# KiCad board jorian.kicad_pcb (continued)
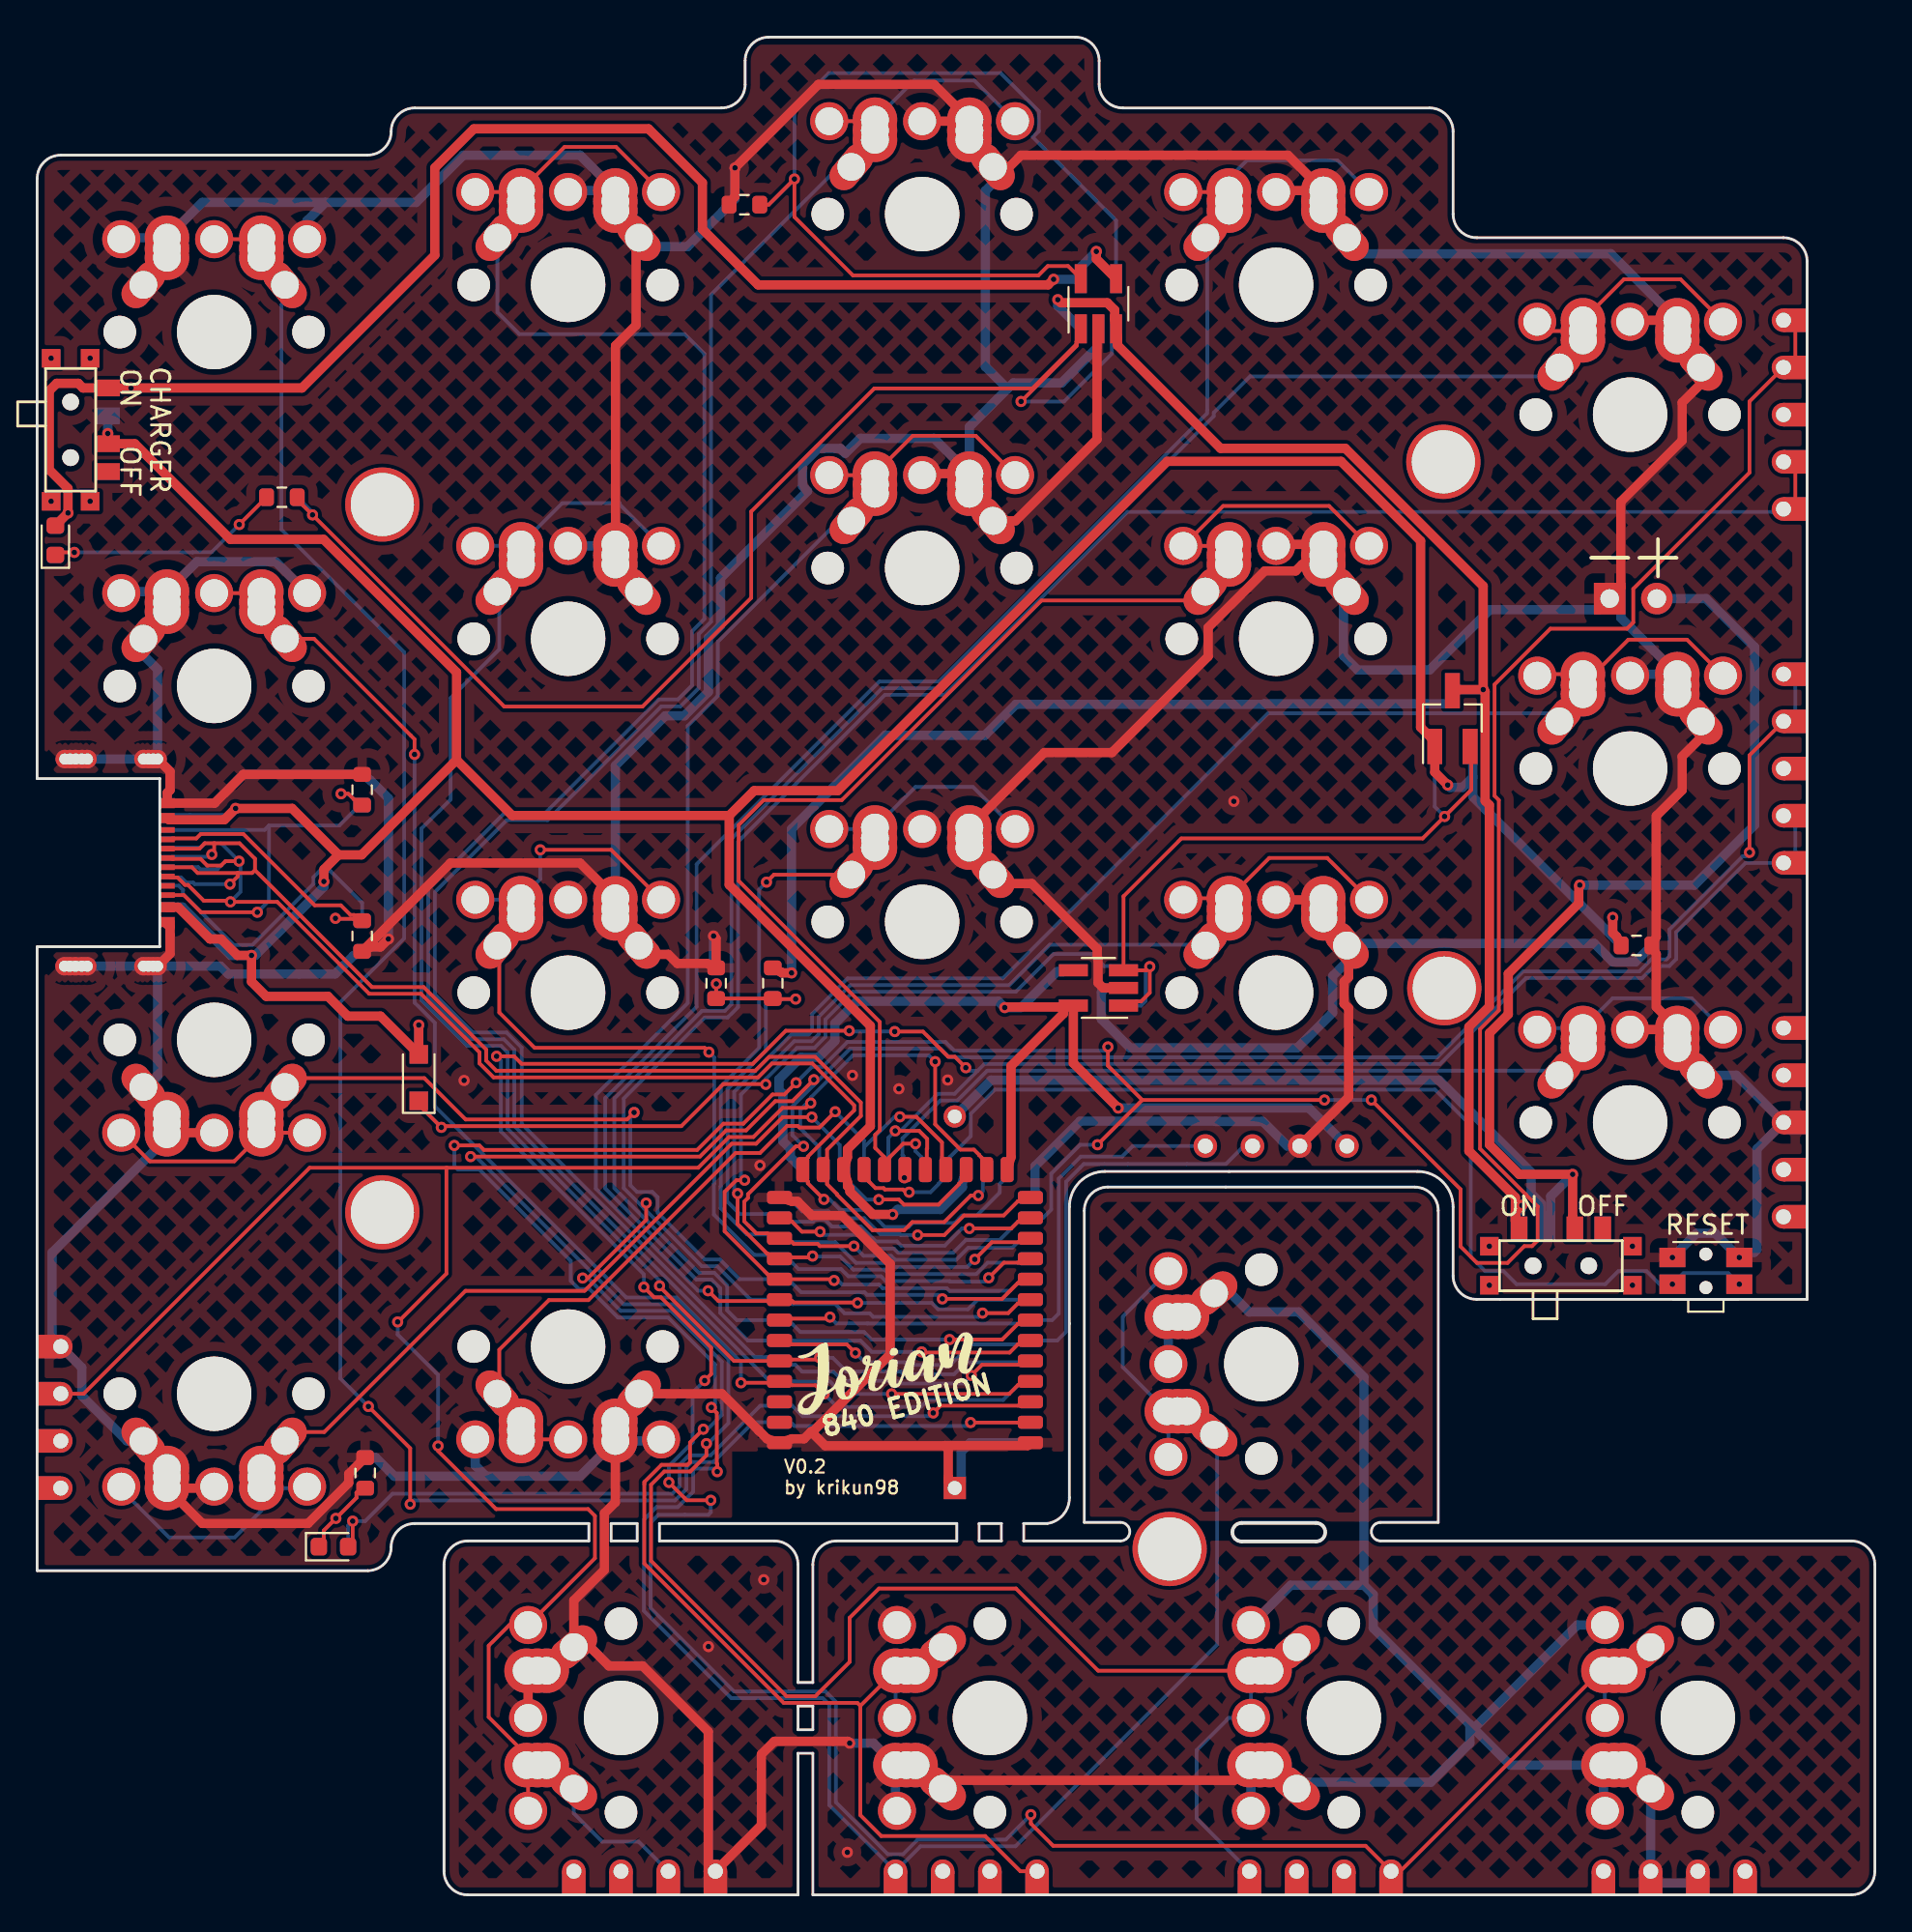
[diagram p0: board, top side]
## Routing (per net, layer and track width the routed paths; a pad name or vN(x,y) marks a point on that pad's centre or on a via; arc(x,y) is an arc through that point) (continued)
  vias: v1(22.98,43.84) v1(36.13,13.37) v1(38.9,39.27) v1(39.1,16.97) v1(43.6,2.29) v1(43.88,44.12) v1(46.38,43.39) v1(49,43.87) v1(64.4,58.87)
VBAT: length 91.4
  Top w0.5: v1(83.02,54.36) 82.96,54.3 82.96,53.38 79.17,49.58 79.17,47.4 78.16,46.39 78.16,40.38 79.76,38.78 v1(82.63,38.78) 82.63,36.27 SW23.2
  Bottom w0.5: v1(82.63,38.78) 81.45,37.6 81.45,36.27 SW23.2 81.05,36.27 81.05,36.62 80.95,36.72 80.95,37.2 80.4,37.75 80.4,38.89 75.44,43.86 51.34,43.86 BT1.1 ; v1(83.02,54.36) 89.19,54.36 92.42,57.59 92.42,67.17 89.81,69.78 J2.2
VBAT2: length 124.4
  Top w0.5: 79.55,36.52 79.55,36.27 ; 79.55,36.52 79.55,36.27 ; 79.55,36.52 79.55,36.77 v1(79.9,37.12) ; 79.55,36.52 79.55,37.54 77.05,40.04 77.05,46.72 78.15,47.82 78.15,58.67 77.92,58.89 77.92,64.78 v1(77.82,64.88) ; 79.55,36.27 SW23.1 79.55,36.27 ; R5.1 40.05,49.66 40.08,49.63 v1(40.6,49.63) ; v1(54.92,85.87) 55.09,85.7 57.59,85.7 57.99,85.31 57.99,84.83 U2.3 58.14,83.77 58.14,83.42 63.69,77.87 70.4,77.87 77.82,70.45 v1(77.82,64.88) ; 76.31,65.13 76.16,64.98 Q1.3 76.31,64.88 v1(77.82,64.88)
  Bottom w0.5: Q1.3 76.16,64.98 76.31,65.13 ; Q1.3 76.31,64.88 v1(77.82,64.88) ; Q1.3 76.01,64.12 76.01,64.12 66.03,64.12 66,64.09 52.67,64.09 51,62.42 45.68,62.42 45.66,62.43 40.6,57.38 v1(40.6,49.63) 40.08,49.63 40.05,49.66 R5.1 ; SW23.1 79.55,36.27 79.55,36.62 79.9,36.97 v1(79.9,37.12) ; U2.3 54.92,85.54 v1(54.92,85.87)
VBUS: length 213.8
  Top w0.5: 37.24,58.1 37.24,54.37 44.84,46.78 44.84,41.37 43.61,40.14 43.61,39.71 U1.22 43.61,38.37 43.61,38.15 43.74,38.02 43.74,37.85 44.97,36.63 v1(46.04,36.63) ; 37.24,58.1 38.58,59.44 43.09,59.44 60.81,77.17 70.17,77.17 74.45,72.88 74.45,62.85 75.21,62.09 Q1.1 75.21,60.44 v1(75.91,59.74) ; 37.24,58.1 25.56,58.1 22.57,61.09 ; 16.22,55.98 13.72,58.48 v1(10.68,58.48) 10.07,57.87 7.09,57.87 J1.A4 ; 16.22,55.98 17.46,55.98 22.57,61.09 ; 16.22,55.98 15.43,55.19 v1(15.43,54.55) ; 22.57,61.09 22.57,65.81 15.42,72.97 10.4,72.97 5.25,78.12 SW24.2 v1(3.8,78.67) ; v1(20.54,46.82) 20.54,45.49 D2.2 18.48,47.3 16.71,47.3 15.65,48.37 12.33,48.37 11.53,49.16 v1(11.53,50.57) 10.78,50.57 9.9,51.45 9.3,51.45 7.59,53.17 J1.A4 ; R7.1 85,51.57 84.79,51.79 v1(84.79,52.62)
  Bottom w0.5: v1(84.79,52.62) 84.79,51.79 85,51.57 R7.1 84.88,51.49 77.26,59.11 77.26,60.17 ; v1(75.91,59.74) 76.03,59.62 76.71,59.62 77.26,60.17 ; v1(3.8,78.67) SW24.2 ; v1(46.04,36.63) 46.31,36.9 48.6,36.9 49.79,38.09 49.79,38.37 50,39.04 ; D2.2 20.54,45.49 v1(20.54,46.82) ; J1.A4 8.23,57.98 10.17,57.98 v1(10.68,58.48) ; v1(15.43,54.55) 15.43,54.26 11.74,50.57 v1(11.53,50.57) 10.42,50.57 7.81,53.18 J1.A4 ; 77.26,61.12 77.26,60.17
VBUS_C: length 83.3
  Top w0.5: v1(57,88.47) 57,88.06 U2.4 ; v1(54.7,86.97) 54.4,86.67 38.8,86.67 35.8,89.67 35.8,92.17 32.9,95.07 23.5,95.07 21.4,92.97 21.4,88.27 14.25,81.12 v1(5.05,81.12) SW24.1 2.46,81.12 2.21,81.36 1.05,81.36 0.65,80.97 0.65,76.72 1.66,75.71 v1(1.66,74.39) D1.2
  Bottom w0.5: v1(57,88.47) 56.16,87.63 U2.4 56.13,86.97 v1(54.7,86.97) ; D1.2 D1.2 v1(1.66,74.39) ; v1(5.05,81.12) SW24.1
(no net):
  vias: v1(0.75,82.72) v1(0.75,75.02) v1(2.85,82.72) v1(2.85,75.02) v1(78.15,34.92) v1(78.15,32.82) v1(85.85,34.92) v1(85.85,32.82)
BATTERY_PIN: length 36.9
  Top w0.2: v1(50.17,35.87) 52.42,35.87 52.78,36.23 53.45,36.44 ; v1(40.82,48.22) 39.96,48.22 R5.2 R6.1 36.54,49.03 v1(36.55,49.04)
  Bottom w0.2: R6.1 36.54,49.03 v1(36.55,49.04) ; v1(40.82,48.22) 39.96,48.22 R5.2 39.21,47.87 39.21,45.44 37.15,43.38 37.15,38 37.13,37.98 37.13,37.32 37.8,36.65 39.28,36.65 40.62,36.23 41.75,36.23 41.86,36.35 42.4,36.35 42.77,35.97 44.33,35.97 45.13,35.18 46.27,35.18 46.5,34.94 48.84,34.94 49.77,35.87 v1(50.17,35.87)
BLUE_LED: length 43.2
  Top w0.2: v1(16.98,20.12) 16.98,18.98 D3.2 ; v1(48.22,25.94) 48.61,26.33 52.78,26.33 U1.3
  Bottom w0.2: v1(48.22,25.94) 48.05,25.77 41.19,25.77 40.63,26.33 40.62,26.33 U1.3 39.28,26.33 38.92,26.33 36.25,23.66 35.08,23.66 34.58,23.16 34.58,21.99 34.18,21.59 19.12,21.59 17.65,20.12 v1(16.98,20.12) 16.73,19.87 D3.2
CC1: length 30.9
  Top w0.2: v1(16.05,52.57) 16.08,52.54 17.11,52.54 R2.1 17.05,52.75 16.86,52.75 16.34,53.27 14.94,53.27 11.1,57.11 8.81,57.11 8.56,56.87 7.3,56.87 J1.A5
  Bottom w0.2: v1(16.05,52.57) 16.08,52.54 17.11,52.54 R2.1 17.49,53.4 15.78,55.11 15.2,55.11 14.87,54.78 14.87,54.42 11.58,51.13 10.58,51.13 7.85,53.86 7.85,54.1 7.62,54.33 J1.A5
CC2: length 23.9
  Top w0.2: J1.B5 7.9,53.82 8.82,52.89 v1(11.85,52.89) ; 17.49,58.66 17.05,58.97 16.75,59.27 v1(16.35,59.27)
  Bottom w0.2: 12.48,57.56 12.48,53.52 v1(11.85,52.89) ; 12.48,57.56 16.26,57.56 17.05,58.35 17.49,58.66 17.05,58.97 16.75,59.27 v1(16.35,59.27) ; 12.48,57.56 12.24,57.33 J1.B5
DATA+: length 76.8
  Top w0.2: J1.A6 7.3,55.77 8.79,55.77 9.15,55.41 9.89,55.41 10.13,55.64 v1(10.86,55.64) ; J1.B6 7.3,54.77 7.56,54.77 7.96,54.36 8.12,54.36 8.96,53.52 10.34,53.52 v1(10.4,53.45) 12.92,53.45 17.87,48.51 20.65,48.51 23.81,45.35 23.81,44.76 24.56,44 38.79,44 39.54,44.75 41.72,44.75 43.97,42.5 43.97,42.23 41.48,39.74 41.48,39.69 41.47,39.68 U1.24 41.47,38.4 41.48,38.39 41.48,38.3 v1(42.34,37.44)
  Bottom w0.2: v1(42.34,37.44) 42.64,37.44 43.21,36.87 44.7,36.87 45.62,35.95 46.9,35.95 47.12,36.17 49.37,36.17 49.78,36.57 50.57,36.57 51.8,37.8 51.8,38.27 51.93,38.4 U1.24 ; v1(10.4,53.45) 10.94,53.99 10.94,55.57 v1(10.86,55.64) ; v1(10.86,55.64) 10.13,55.64 9.69,55.21 8.78,55.21 8.66,55.33 J1.A6 ; v1(10.86,55.64) 9.9,56.61 9.01,56.61 8.78,56.38 7.3,56.38 J1.B6
DATA-: length 73.6
  Top w0.2: J1.A7 8.33,55.32 8.64,55.01 10.79,55.01 ; 9.53,56.61 10.89,56.61 11.72,55.77 11.72,55.16 ; 9.53,56.61 9.53,56.13 v1(9.4,56.01) ; 9.53,56.61 9.01,56.61 9.01,56.6 8.73,56.32 J1.B7 ; 10.79,55.01 11.57,55.01 11.72,55.16 ; 10.79,55.01 10.79,54.82 v1(10.38,54.41) ; 11.72,55.16 18.02,48.87 20.8,48.87 24.17,45.5 24.17,44.91 24.71,44.36 38.64,44.36 39.39,45.11 41.87,45.11 44.33,42.65 44.33,41.93 42.51,40.11 42.51,39.71 42.3,39.04 42.51,38.37 42.51,38.26 43.04,37.73 43.04,37.7 44.96,35.78 46.66,35.78 47.1,36.22 48.81,36.22 50.24,37.64 v1(50.65,37.64)
  Bottom w0.2: v1(9.4,56.01) 9.3,55.91 9.3,55.91 9.27,55.87 7.3,55.87 J1.A7 ; U1.23 50.89,38.37 50.89,37.89 v1(50.65,37.64) ; J1.B7 7.3,54.78 7.73,54.78 8.01,54.5 8.39,54.5 8.48,54.41 v1(10.38,54.41)
nRF_VDD: length 58.3
  Top w0.5: 55.23,47.79 55.23,47.44 52.41,44.62 52.41,39.71 U1.14 ; 55.23,47.79 U3.5 ; 55.23,47.79 U3.5 ; 55.23,47.79 52.1,47.79 v1(52.07,47.76) ; v1(58.18,42.35) 55.76,44.77 U3.5
  Bottom w0.5: U1.14 40.53,39.71 40.53,40.17 40.13,40.56 40.13,43.12 39.92,43.34 39.92,43.9 41.1,45.08 42.05,45.08 42.93,45.96 42.93,46.91 44.12,48.1 51.73,48.1 v1(52.07,47.76) 52.95,47.76 54.88,49.69 55.23,49.69 U3.5 ; JP16.1 68.44,42.35 v1(58.18,42.35)
PROG: length 15.1
  Top w0.2: U1.13 52.78,37.33 52.77,37.33 52.01,36.57 49.88,36.57 48.82,35.52 v1(47.39,35.52)
  Bottom w0.2: v1(47.39,35.52) 46.47,35.52 46.43,35.56 45.38,35.56 44.52,36.42 42.95,36.42 42.58,36.79 41.17,36.79 40.63,37.33 40.62,37.33 U1.13
R1C1: length 181.8
  Top w0.2: 53.81,1.27 52.91,1.27 51.02,3.17 45.43,3.17 44.3,4.29 44.3,10.18 ; v1(32.77,37.24) 32.77,36.34 29.64,33.2 v1(29.35,33.2) ; v1(35.85,25.07) 35.13,24.35 35.13,23.28 35,23.15 33.6,23.15 32.68,22.22 32.68,17.83 40.17,10.33 44.14,10.33 44.3,10.18 ; E5.5 E5.4 ; 44.3,10.18 SW19.2 ; U1.8 52.78,31.83 52.77,31.83 52.26,31.32 v1(50.87,31.32)
  Bottom w0.2: 32.67,36.94 35.77,33.84 36.59,33.84 38.39,32.04 U1.8 40.62,31.83 40.63,31.83 40.66,31.8 42.95,31.8 43.45,31.31 44.8,31.31 44.99,31.12 50.67,31.12 v1(50.87,31.32) ; 32.67,36.94 31.56,38.05 31.56,42.87 35.93,47.23 37.16,47.23 37.72,47.79 37.72,56.69 45.62,64.6 48.82,64.6 58.67,74.45 93.37,74.45 93.52,74.6 E5.5 ; 32.67,36.94 32.67,37.14 v1(32.77,37.24) ; SW19.2 48.25,12.93 47.38,12.07 SW19.2 SW19.2 SW19.2 46.19,9.61 SW19.2 ; v1(29.35,33.2) 29.64,33.2 31.4,31.44 34.11,31.44 36.84,28.7 36.84,25.83 36.07,25.07 v1(35.85,25.07)
R1C2: length 119.3
  Top w0.2: v1(49.1,29.89) 51.94,29.89 52.77,30.73 52.78,30.73 53.45,30.94 ; SW5.1 81.22,84.18 SW5.1 ; SW5.1 88.44,86.97 85.39,86.97 SW5.1
  Bottom w0.2: SW5.1 SW5.1 SW5.1 82.32,82.81 82.32,82.7 SW5.1 81.51,81.74 65.28,81.74 63.32,79.78 63.32,79.6 48.67,64.96 45.47,64.96 37.36,56.84 37.36,47.94 37.01,47.59 35.78,47.59 31.06,42.87 31.06,38.04 35.62,33.48 36.44,33.48 37.13,32.8 37.13,31.46 37.65,30.94 39.95,30.94 40.62,30.73 40.63,30.73 41.07,30.3 44.5,30.3 44.9,29.89 v1(49.1,29.89)
R1C3: length 109.2
  Top w0.2: SW4.1 64.06,91.67 SW4.1 ; U1.6 52.78,29.63 52.77,29.63 52.34,29.19 47.63,29.19 v1(47.6,29.23)
  Bottom w0.2: SW4.1 69.97,93.37 65.1,93.37 64.13,92.4 SW4.1 SW4.1 SW4.1 63.27,89.8 63.27,89.68 SW4.1 62.46,88.73 62.97,88.22 62.97,79.94 62.96,79.93 62.96,79.75 48.53,65.31 45.32,65.31 35.49,55.48 35.49,47.81 30.56,42.88 30.56,38.03 35.47,33.12 36.29,33.12 36.76,32.65 36.76,31.32 38.24,29.84 U1.6 40.53,29.83 44.31,29.83 44.92,29.23 v1(47.6,29.23)
R1C4: length 114.5
  Top w0.2: 53.45,28.74 52.78,28.53 50.84,28.53 v1(50.27,27.96) ; SW3.1 45.01,95.48 SW3.1
  Bottom w0.2: SW3.1 50.43,97.67 47.2,97.67 SW3.1 SW3.1 SW3.1 44.22,93.61 44.22,93.49 SW3.1 43.41,92.54 42.66,92.54 36.27,86.14 36.27,68.53 35.6,67.87 35.6,64.96 34.62,63.97 33.59,63.97 27.46,57.85 25.27,57.85 21.41,53.99 21.41,48.46 23.45,46.42 25.26,46.42 26.07,45.61 26.07,41.5 38.63,28.95 39.28,28.95 40.62,28.53 40.8,28.53 41.17,28.17 42.85,28.17 43.35,27.67 46.27,27.67 46.41,27.53 49.84,27.53 v1(50.27,27.96)
R1C5: length 117.6
  Top w0.2: U1.4 52.78,27.43 52.77,27.43 52.31,26.97 v1(45.98,26.97) ; SW2.1 31.15,94.09 28.38,94.09 SW2.1 25.96,91.67 SW2.1
  Bottom w0.2: SW2.1 SW2.1 SW2.1 25.17,89.8 25.17,89.68 SW2.1 24.77,88.03 24.77,88.03 24.77,85.2 25.95,84.02 34.85,84.02 35.91,82.96 35.91,68.68 35.24,68.02 35.24,65.11 34.49,64.35 33.46,64.35 27.32,58.21 25.12,58.21 21.05,54.14 21.05,48.31 23.3,46.06 25.11,46.06 25.68,45.5 25.68,41.39 39.43,27.64 U1.4 42.67,27.64 ; v1(45.98,26.97) 43.34,26.97 42.73,27.58
R1C6: length 113.4
  Top w0.2: v1(17.83,26.29) 20.08,24.04 v1(20.08,21.03) ; 53.45,25.44 52.87,25.42 v1(50.23,25.42) ; SW1.2 11.98,89.13 SW1.2
  Bottom w0.2: v1(50.23,25.42) 50.05,25.24 40.75,25.24 40.63,25.37 40.53,25.37 39.95,25.44 38.53,25.44 36.4,23.3 35.23,23.3 34.93,23.01 34.93,21.84 34.32,21.23 20.27,21.23 v1(20.08,21.03) ; v1(17.83,26.29) 16.32,27.8 16.32,48.06 19.75,51.49 19.75,66.89 13.15,73.49 13.15,85.6 13.74,86.19 SW1.2 12.93,87.14 12.07,88.01 SW1.2 SW1.2 SW1.2
R2C0: length 262.9
  Top w0.2: v1(40.84,43.72) 40.21,43.08 39.57,43.08 38,41.51 36.93,41.51 35.52,40.1 24.04,40.1 23.8,40.34 v1(22.45,40.34) ; v1(36.28,26.24) 36.57,25.95 36.57,23.22 36.6,23.19 v1(36.6,22.78) ; v1(42.13,35.7) 41.16,35.7 40.63,36.23 40.62,36.23 39.95,36.44 ; E5.2 E5.1 ; v1(71.8,42.79) 73.4,41.19 73.4,41.18 76.6,37.98 76.6,34.9 77.48,34.01 79.12,34.01 80.03,34.92 80.44,34.92 80.75,35.23 80.75,37.06 80.13,37.67 80.13,37.68 77.65,40.17 77.65,46.6 78.66,47.61 78.66,58.93 78.43,59.16 78.43,65.15 81.44,68.16 85.56,68.16 85.9,68.5 85.9,70.3 92.15,76.56 92.15,80.39 E5.2 ; v1(69.28,42.79) 59.47,42.79 ; 59.47,42.79 57.63,44.63 v1(57.63,45.64) ; 59.47,42.79 v1(57.06,40.38)
  Bottom w0.2: SW22.1 60.88,25.96 SW22.1 ; SW22.1 SW22.1 SW22.1 62.74,25.17 62.86,25.17 SW22.1 63.5,24.6 63.5,13.47 52.65,2.62 47.54,2.62 E19.1 42.63,4.84 42.63,10.24 42.27,10.59 37.35,10.59 32.65,15.29 32.65,20.19 33.33,20.87 34.47,20.87 35.3,21.7 35.3,22.86 35.38,22.94 36.44,22.94 v1(36.6,22.78) ; SW22.1 58.43,28.41 58.43,31.13 SW22.1 ; 57.5,45.52 v1(57.63,45.64) 57.63,45.57 57.5,45.44 49.35,45.44 48.88,45.91 43.6,45.91 42.27,44.57 41.7,44.57 v1(40.84,43.72) ; v1(42.13,35.7) 42.3,35.53 44.15,35.53 44.88,34.79 46.11,34.79 46.33,34.56 49.29,34.56 49.98,35.25 51.79,35.25 52.77,36.23 52.78,36.23 53.45,36.44 54.13,36.44 54.57,36.89 54.57,38.82 56.13,40.38 v1(57.06,40.38) ; v1(36.28,26.24) 36.48,26.44 36.48,28.55 33.96,31.08 31.25,31.08 29.72,32.62 29.15,32.62 28.71,33.05 28.71,34.13 23.8,39.04 22.65,39.04 22.45,39.24 v1(22.45,40.34) ; v1(71.8,42.79) v1(69.28,42.79)
  Bottom w0.5: 93.98,81.84 E5.2
R2C1: length 204.6
  Top w0.2: v1(23.33,39.74) 35.67,39.74 37.08,41.15 38.15,41.15 39.72,42.72 40.64,42.72 v1(41.8,43.88) ; v1(41.24,40.3) 40.83,40.3 38.25,37.72 38.25,37.52 38.05,37.32 38.05,36.26 38.7,35.61 39.31,35.61 U1.27 40.62,35.13 40.63,35.13 40.72,35.04 42,35.04 42.12,34.92 v1(43.95,34.92) ; v1(92.15,56.12) 92.15,61.34 E10.2 ; v1(36.02,24.29) 36.02,23.66 35.15,22.79 33.75,22.79 33.03,22.07 33.03,17.98 40.32,10.69 41.88,10.69 43.73,12.54 43.73,14.92 45.3,16.49 52.68,16.49 57.1,12.07 SW20.2
  Bottom w0.2: 67.78,13.34 67.3,12.93 66.43,12.07 SW20.2 SW20.2 SW20.2 65.32,11.99 SW20.2 64.11,9.53 64.03,9.44 64.03,9.42 62.4,7.79 62.4,4.11 E20.1 ; v1(36.02,24.29) 36.1,24.29 37.2,25.39 37.2,28.85 34.25,31.8 31.55,31.8 23.61,39.74 v1(23.33,39.74) ; 41.77,43.57 43.75,45.55 48.62,45.55 49.08,45.08 75.34,45.08 79.97,49.71 86.22,49.71 86.87,50.36 87.68,50.36 87.84,50.52 87.84,51.97 91.79,55.91 91.94,55.91 v1(92.15,56.12) ; 41.77,43.57 40.64,42.44 40.64,40.89 v1(41.24,40.3) ; 41.77,43.57 41.8,43.6 v1(41.8,43.88) ; E10.1 E10.2 ; U1.27 52.78,35.13 52.77,35.13 52.47,34.83 50.1,34.83 49.45,34.18 46.17,34.18 45.95,34.4 44.47,34.4 v1(43.95,34.92)
  Bottom w0.5: 64.85,1.02 E20.1 64.85,1.02
R2C2: length 92.6
  Top w0.2: SW10.1 88.79,67.57 85.62,67.57 83.77,65.71 SW10.1 80.81,65.71 SW10.1 ; v1(37.69,37.75) 37.69,36.11 39.29,34.52 39.3,34.52 39.31,34.51 39.95,34.24 40.53,34.32 41.66,34.32 v1(41.73,34.39)
  Bottom w0.2: SW10.1 SW10.1 SW10.1 82.32,63.76 82.32,63.65 SW10.1 81.48,63.61 66.24,63.61 51.97,49.33 43.61,49.33 41.7,47.42 41.7,46.49 41.52,46.31 40.59,46.31 37.51,43.23 37.51,37.93 v1(37.69,37.75) ; v1(41.73,34.39) 41.75,34.37 43.21,34.37 43.92,33.66 45.6,33.66 45.84,33.42 50.54,33.42 51.15,34.03 52.78,34.03 53.45,34.24
R2C3: length 73.6
  Top w0.2: v1(47.27,40.43) 46.6,40.43 45.88,39.7 45.88,39.69 45.87,39.68 U1.20 45.59,39.62 45.59,39.72 45.1,40.21 45.1,40.92 45.35,41.16 45.35,46.99 37.75,54.58 37.75,57.59 39.09,58.93 43.3,58.93 54.05,69.68 62.46,69.68 SW9.1 ; SW9.1 69.53,74.77 63.82,74.77 SW9.1 64.06,72.62 SW9.1
  Bottom w0.2: 47.8,39.04 47.59,39.71 47.27,40.03 v1(47.27,40.43) ; SW9.1 SW9.1 SW9.1 63.27,70.75 63.27,70.63 SW9.1
R2C4: length 83.2
  Top w0.2: SW8.1 50.51,78.54 47.12,78.54 SW8.1 45.01,76.43 SW8.1 ; v1(44.15,31.87) 44.13,31.89 40.7,31.89 40.63,31.97 40.53,31.97 U1.30 39.37,31.97 36.66,31.97 v1(36.11,32.52)
  Bottom w0.2: v1(44.15,31.87) 48.14,31.87 48.48,31.52 50.09,31.52 50.61,32.04 U1.30 ; v1(36.11,32.52) 35.57,32.52 30.06,38.02 30.06,43.06 35.01,48 35.01,62.92 36.63,64.55 36.63,67.46 42.66,73.49 43.41,73.49 SW8.1 44.22,74.44 44.22,74.56 SW8.1 SW8.1 SW8.1
R2C5: length 83.2
  Top w0.2: v1(42.11,28.91) 42.01,28.82 40.53,28.82 39.95,28.74 37.5,28.74 33.49,32.75 v1(33.49,32.78)
  Bottom w0.2: 53.45,28.74 52.87,28.67 49.98,28.67 49.35,28.03 46.62,28.03 46.48,28.17 43.56,28.17 42.81,28.91 v1(42.11,28.91) ; SW7.1 25.96,72.62 SW7.1 ; v1(33.49,32.78) 33.49,33.07 25.32,41.24 25.32,45.35 24.97,45.7 23.15,45.7 20.68,48.17 20.68,57.39 22.25,58.97 22.25,64.43 24.87,67.05 24.87,69.17 24.36,69.68 SW7.1 25.17,70.63 25.17,70.75 SW7.1 SW7.1 SW7.1 ; SW7.1 28.26,74.92 31.35,74.92 31.35,74.84 SW7.1
R2C6: length 74.9
  Top w0.2: v1(20.31,61.39) 20.31,62.21 14.9,67.62 SW6.2 ; v1(37.88,27.57) 39.37,27.57 U1.34 40.62,27.43 41.89,27.43 v1(42.35,26.97) ; SW6.2 11.98,70.08 SW6.2
  Bottom w0.2: U1.34 52.78,27.43 52.77,27.43 51.98,26.64 47.93,26.64 47.56,26.27 43.05,26.27 v1(42.35,26.97) ; SW6.2 SW6.2 SW6.2 12.07,68.96 12.93,68.09 SW6.2 ; v1(37.88,27.57) 37.88,28.68 34.4,32.16 31.7,32.16 21.4,42.46 21.4,46.94 20.31,48.03 v1(20.31,61.39)
R3C1: length 204.2
  Top w0.2: v1(46.15,46.47) 47.67,46.47 49.02,45.12 49.38,45.12 v1(49.98,44.52) ; v1(34,22.2) 34.96,21.24 v1(36.25,21.24) ; v1(53.48,4.32) 53.48,3.84 54.68,2.64 71.49,2.64 E20.4 ; 73.4,1.31 84.15,12.07 84.29,12.07 ; v1(24.72,45.14) 25.67,45.14 26.07,44.73 38.51,44.73 40.29,46.52 v1(43.7,46.52) ; 47.8,39.04 47.88,39.62 47.88,40.15 47.9,40.17 47.9,40.69 47.46,41.13 v1(46.18,41.13) ; E20.4 73.4,1.17 ; v1(35.92,27.68) 36.27,28.03 36.27,29.46 33.57,32.17 33.2,32.17 v1(32.65,32.72)
  Bottom w0.2: 86.83,13.34 86.35,12.93 85.48,12.07 84.29,12.07 84.37,11.99 84.37,9.53 ; 50.61,44.36 49.37,43.12 48.45,43.12 46.46,41.13 v1(46.18,41.13) 45.81,40.76 45.81,39.71 U1.18 ; 50.61,44.36 50.98,44.72 75.49,44.72 80.12,49.35 86.37,49.35 87.01,50 87.83,50 88.2,50.37 88.2,51.82 91.94,55.55 E10.5 E10.4 ; 50.61,44.36 50.14,44.36 v1(49.98,44.52) ; v1(34,22.2) 34,23.09 35.27,24.37 35.27,27.04 v1(35.92,27.68) ; v1(32.65,32.72) 32.65,33.4 24.96,41.09 24.96,44.91 v1(24.72,45.14) ; v1(46.15,46.47) 43.74,46.47 v1(43.7,46.52) ; v1(53.48,4.32) 52.13,2.97 47.39,2.97 46.6,2.19 45.78,2.19 42.98,4.98 42.98,10.39 42.42,10.95 37.5,10.95 33.01,15.44 33.01,20.04 33.43,20.46 36.12,20.46 36.25,20.59 v1(36.25,21.24)
R3C2: length 54
  Top w0.2: U1.19 46.67,39.01 v1(46.67,38.6)
  Bottom w0.2: SW15.1 80.81,46.66 SW15.1 ; SW15.1 SW15.1 SW15.1 82.32,44.71 82.32,44.6 SW15.1 81.67,44.37 51.12,44.37 49.52,42.76 48.6,42.76 46.57,40.72 46.57,39.81 46.63,39.76 46.63,39.62 U1.19 46.67,39.01 v1(46.67,38.6) ; SW15.1 84.79,48.27 89.04,48.27 SW15.1
R3C3: length 70.3
  Top w0.2: v1(42.89,33.07) 42.82,33.14 U1.29 39.31,33.41 36.99,35.72 36.99,37.84 37.62,38.47 v1(38.07,38.47) ; SW14.1 61.76,53.65 SW14.1 66.31,55.82 69.43,55.82 SW14.1
  Bottom w0.2: v1(42.89,33.07) 43.1,33.07 43.32,32.85 45.31,32.85 45.5,32.65 48.95,32.65 49.09,32.51 52.36,32.51 52.77,32.93 52.78,32.93 U1.29 ; SW14.1 SW14.1 SW14.1 63.27,51.7 63.27,51.58 SW14.1 62.46,50.63 61.95,51.14 54.49,51.14 52.32,48.97 43.76,48.97 42.06,47.27 42.06,46.33 41.68,45.95 40.74,45.95 37.87,43.08 37.87,38.67 v1(38.07,38.47)
R3C4: length 56.7
  Top w0.2: SW13.1 39.65,54.92 v1(39.25,54.52) ; v1(50.46,34.21) 51.38,35.13 52.78,35.13 U1.11
  Bottom w0.2: SW13.1 44.22,55.39 44.22,55.51 SW13.1 SW13.1 SW13.1 ; SW13.1 45.01,57.38 SW13.1 ; SW13.1 50.36,59.64 47.27,59.64 SW13.1 ; v1(39.25,54.52) 38.85,54.12 38.85,45.59 36.79,43.53 36.79,38.15 36.78,38.13 36.78,36.97 38.2,35.55 39.28,35.55 U1.11 40.62,35.13 42.95,35.13 44.07,34.02 45.79,34.02 46,33.8 50.05,33.8 v1(50.46,34.21)
R3C5: length 60.1
  Top w0.2: 53.45,34.24 52.78,34.03 52.02,34.03 v1(51.21,33.22) ; v1(27.07,56.25) 30.89,56.25 SW12.1 ; v1(36.15,45.37) 35.92,45.59 26.77,45.59 24.87,47.49 24.87,50.12 24.36,50.63 SW12.1
  Bottom w0.2: SW12.1 25.96,53.57 SW12.1 ; SW12.1 27.07,54.69 v1(27.07,56.25) ; SW12.1 SW12.1 SW12.1 25.17,51.7 25.17,51.58 SW12.1 ; v1(36.15,45.37) 36.43,45.08 36.43,38.3 36.42,38.28 36.42,36.62 38.59,34.45 39.28,34.45 40.62,34.03 40.63,34.03 40.97,33.69 43.26,33.69 43.65,33.3 45.41,33.3 45.67,33.04 49.11,33.04 49.13,33.01 51,33.01 v1(51.21,33.22)
R3C6: length 63.3
  Top w0.2: SW11.1 12.15,41.03 SW11.1 10.61,39.49 6.06,39.49 SW11.1 ; v1(48.71,32.08) 51.92,32.08 52.77,32.93 52.78,32.93 U1.9 ; v1(32.12,42.12) 31.75,41.74 23.06,41.74 20.83,43.96 13.74,43.96 SW11.1
  Bottom w0.2: v1(32.12,42.12) 31.92,41.92 31.92,38.19 32.28,37.84 33.1,37.84 33.39,37.55 33.39,36.73 35.92,34.2 36.74,34.2 37.8,33.14 U1.9 40.62,32.93 41.11,32.44 44.52,32.44 44.67,32.3 48.5,32.3 v1(48.71,32.08) ; SW11.1 12.93,43.01 12.07,42.14 SW11.1 SW11.1 SW11.1
R4C5: length 42.5
  Top w0.2: v1(46.43,41.88) 47.31,41.88 48.69,40.51 48.69,39.71 U1.17 ; SW17.2 26.12,24.52 SW17.2 ; v1(42.95,42.16) 42.1,41.31 41.02,41.31 40.94,41.39 40.36,41.39 38.9,39.93 37.58,39.93 29.67,32.02 27.54,32.02 24.87,29.35 24.87,27.96 24.36,27.45 SW17.2
  Bottom w0.2: 44.5,39.04 44.5,40.24 ; 44.5,40.24 46.14,41.88 v1(46.43,41.88) ; 44.5,40.24 44.5,40.6 v1(42.95,42.16) ; SW17.2 25.17,26.5 25.17,26.38 SW17.2 SW17.2 SW17.2
R4C6: length 63.7
  Top w0.2: 50,39.04 49.73,38.4 49.6,38.27 49.6,38.25 48.5,37.15 46.65,37.15 46.37,37.43 45.3,37.43 v1(45.29,37.42) ; v1(41.69,41.87) 40.12,41.87 38.69,40.43 37.38,40.43 29.46,32.52 23.05,32.52 15.45,24.91 13.74,24.91 SW16.1
  Bottom w0.2: SW16.1 14.45,21.9 SW16.1 ; SW16.1 SW16.1 SW16.1 12.07,23.09 12.93,23.96 SW16.1 ; SW16.1 12.07,20.68 10.62,19.24 7.1,19.24 4.52,21.82 SW16.1 ; v1(41.69,41.87) 43.19,40.36 43.19,39.71 U1.16 43.67,38.4 43.68,38.39 43.68,38.38 44.63,37.42 v1(45.29,37.42)
R4C7: length 124.2
  Top w0.2: 22.02,39.14 14.67,39.14 2.5,26.98 E16.2 ; 22.02,39.14 22.02,33.44 19.43,30.84 v1(19.4,30.84) ; 22.02,39.14 35.58,39.14 37.23,40.79 38.54,40.79 40.12,42.37 41.37,42.37 v1(41.63,42.62) ; U1.15 50.83,39.68 50.7,39.81 50.7,39.83 50.41,40.12 49.69,40.12 48.33,41.48 v1(48.33,44.85) ; v1(21.58,24.17) 21.58,23.89 24.7,20.77 29.65,20.77 30.02,20.4 30.02,18.12 SW18.1 25.41,14.53 24.3,13.42 24.3,9.57 26.34,7.53 SW18.1 26.42,6.91 SW18.1
  Bottom w0.2: 42.3,39.04 42.09,39.71 42.09,40.24 41.06,41.26 41.06,42.26 41.43,42.63 41.62,42.63 v1(41.63,42.62) 41.63,42.92 43.9,45.19 47.98,45.19 v1(48.33,44.85) ; v1(21.58,24.17) 21.58,27.99 19.4,30.17 v1(19.4,30.84) ; SW18.1 SW18.1 SW18.1 28.29,6.12 28.4,6.12 28.88,5.72 28.88,4.39 30.4,2.87 32.37,2.87 E18.2
reset: length 60.7
  Top w0.2: 44.5,39.04 44.77,38.4 44.78,38.39 44.78,38.38 45.12,38.04 45.55,38.04 45.63,37.97 46.59,37.97 46.74,37.82 v1(46.92,37.82)
  Bottom w0.2: v1(91.6,32.87) 91,33.47 88.59,33.47 v1(88,32.87) 87.31,32.87 86.61,33.57 85.09,33.57 84.39,32.87 79.61,32.87 78.91,33.57 77.92,33.57 77.15,34.35 77.15,41.42 75.23,43.35 51.55,43.35 50.24,42.04 50.24,40.84 49.11,39.71 U1.21 48.63,38.4 48.5,38.27 48.5,38.25 48.07,37.82 v1(46.92,37.82)
SWC: length 31.3
  Top w0.2: 39.95,30.94 40.53,31.02 42.58,31.02 v1(42.66,31.1)
  Bottom w0.2: JP16.4 58.96,40.31 58.39,39.74 56.16,39.74 54.98,38.55 54.98,31.29 54.62,30.94 53.45,30.94 53.27,30.76 44.7,30.76 44.69,30.76 43,30.76 v1(42.66,31.1)
SWD: length 35.5
  Top w0.2: v1(44.03,29.17) 43.57,29.63 40.62,29.63 U1.32
  Bottom w0.2: JP16.3 64.94,40.31 63.97,39.34 61.86,39.34 61.86,39.34 58.7,39.34 58.7,39.34 56.33,39.34 55.38,38.39 55.38,30.32 54.9,29.84 U1.32 52.78,29.63 50.24,29.63 49.14,28.53 46.82,28.53 46.68,28.67 44.54,28.67 v1(44.03,29.17)
Net-(D1-Pad1): length 15.8
  Top w0.2: v1(2,72.27) 1.11,72.27 D1.1 ; v1(10.88,73.77) R3.1
  Bottom w0.2: R3.1 v1(10.88,73.77) 9.38,72.27 8.38,72.27 8.37,72.27 1.12,72.27 D1.1
Net-(D2-Pad1): length 86.1
  Top w0.2: v1(39.21,43.63) 39.15,43.63 39.14,43.64 36.93,43.64 34.66,41.38 21.82,41.38 v1(21.75,41.31) 20.76,42.3 20.76,42.34 D2.1 ; U3.1 59.14,48.09 59.41,48.09 59.88,48.56 v1(59.88,49.97) 59.68,49.77 U3.1 58.46,53.75 61.57,56.87 74.56,56.87 77.18,59.49 77.18,61.21 77.11,61.27 Q1.2
  Bottom w0.2: D2.1 20.76,42.34 20.76,42.3 v1(21.75,41.31) ; v1(75.74,58.05) 75.21,58.58 Q1.2 ; v1(39.21,43.63) 39.21,43.91 40.89,45.59 41.83,45.59 42.42,46.19 42.42,47.12 43.91,48.61 52.67,48.61 54.7,50.64 56.77,50.64 57.42,49.99 57.78,49.99 U3.1 59.68,49.77 v1(59.88,49.97) 59.65,49.74 59.65,48.12 59.4,47.87 U3.1
Net-(D3-Pad1): length 8.5
  Top w0.2: R8.1 17.18,21.65 17.18,21.37 v1(16.08,20.27) 15.42,19.61 15.42,19.21 D3.1
  Bottom w0.2: R8.1 17.18,21.65 17.18,21.37 v1(16.08,20.27) 15.42,19.61 15.42,19.21 D3.1
Net-(R3-Pad2): length 72.1
  Top w0.2: 55.94,83.62 U2.1 55.94,83.62 ; 55.94,83.62 55.94,83.52 ; 55.94,83.62 55.94,83.52 ; 55.94,83.52 55.94,83.38 v1(52.95,80.39) ; 55.94,83.52 55.94,83.48 53.55,81.09 45.05,81.09 38.43,74.47 38.43,69.81 32.58,63.97 25.14,63.97 14.3,74.8 R3.2
  Bottom w0.2: v1(14.82,74.28) 14.82,74.41 R3.2 ; v1(52.95,80.39) 55.27,80.39 57.84,82.96 57.84,83.62 U2.1
Net-(R4-Pad1): length 53.7
  Top w0.2: R4.1 39.37,90.98 v1(40.75,92.37) 40.75,90.32 43.9,87.17 53.88,87.17 54.39,87.68 55.48,87.68 U2.5
  Bottom w0.2: U2.5 58.06,90.13 53.58,94.61 53.91,94.94 53.91,96.01 51.85,98.07 42.6,98.07 40.75,96.22 v1(40.75,92.37) 39.37,90.98 R4.1
unconnected-(E19-Pad3): length 0.8
  Bottom w0.2: E19.3 51.8,1.17
unconnected-(E20-Pad2): length 1.1
  Top w0.5: 68.16,1.02 E20.2
  Bottom w0.5: E20.2 68.16,1.02
unconnected-(E20-Pad3): length 0.8
  Top w0.2: E20.3 70.85,1.17

## Copper pours and planes (outline as drawn; the poured copper is in the pictures)
GND on Top, Bottom: 57.4,99.87 57.4,97.87 58.4,96.87 75.4,96.87 76.4,95.87 76.4,90.87 77.4,89.87 95.4,89.87 95.4,31.87 76.4,31.87 76.4,37.87 74.4,38.87 56.4,38.87 55.4,37.87 55.4,23.87 37.4,23.87 37.4,19.87 19.4,19.87 19.4,16.87 0.4,16.87 -0.6,17.87 -0.6,92.87 0.4,93.87 17.4,93.87 20.4,96.87 36.4,96.87 37.4,97.87 37.4,99.87 38.4,100.87 56.4,100.87
GND on Top, Bottom: 75.4,37.47 75.4,20.47 76.4,19.47 99.4,19.47 99.4,-0.53 41.65,-0.53 41.65,19.07 56.4,19.07 56.4,37.47 57.4,38.47 74.4,38.47
GND on Top, Bottom: 40.9,-0.13 21.4,-0.13 21.4,18.87 40.9,18.87

## Text on the board
B.Silkscreen: V0.2 / by krikun98 | CHARGER
F.Silkscreen: V0.2 / by krikun98 | CHARGER | 840 EDITION
